# Altium PCB Logic.PcbDoc-4LayerBackup-214701022020.PcbDoc
Units mm, origin at the board's own origin, x right, y up, seen from the top; angles counter-clockwise.
Board outline 80 x 100 mm, 4 copper layers (Top Layer, GND, VCC, Bottom Layer), stack 0.681 mm thick; 94 components, 87 nets, 350 pads, 111 vias.
Unrouted connection lines stored in the file: 35.
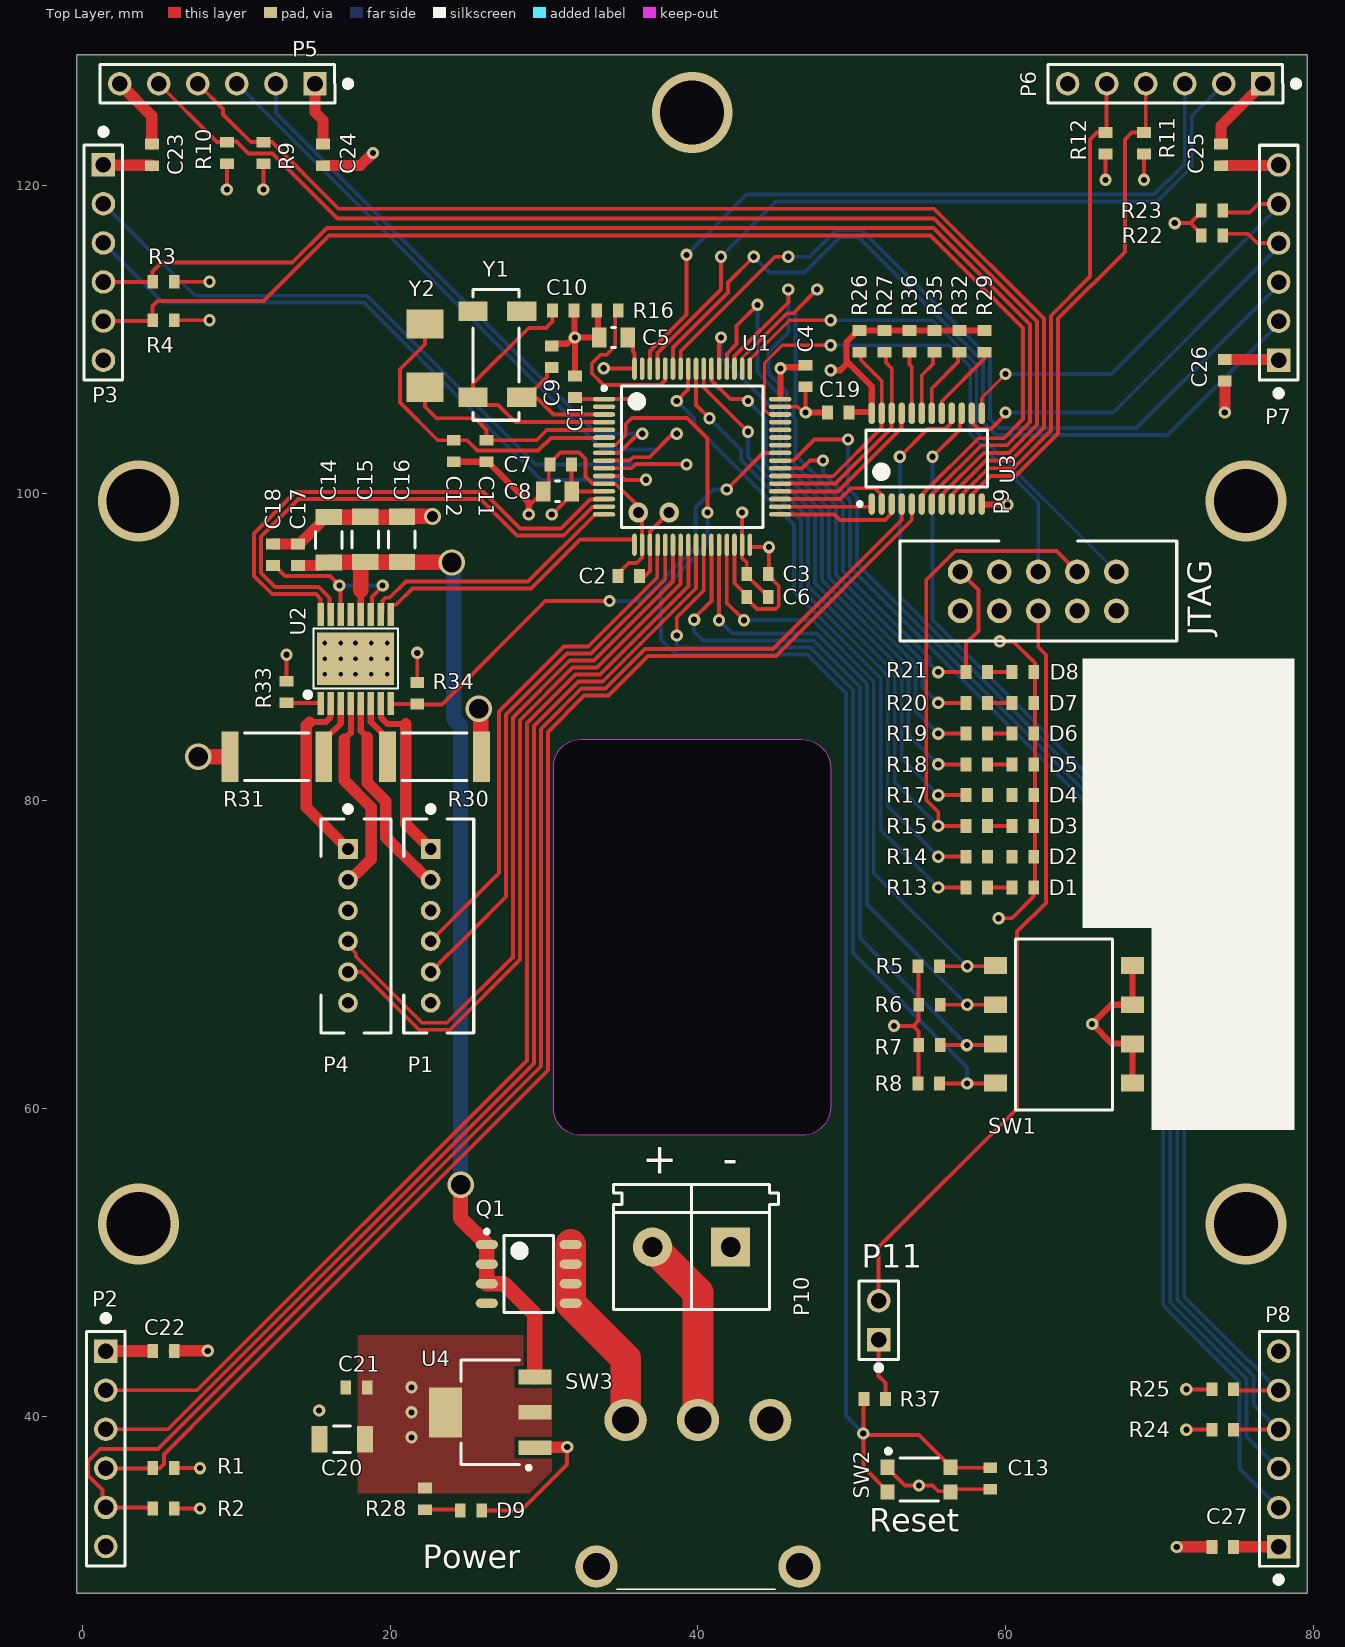
[diagram p0: Top Layer view]
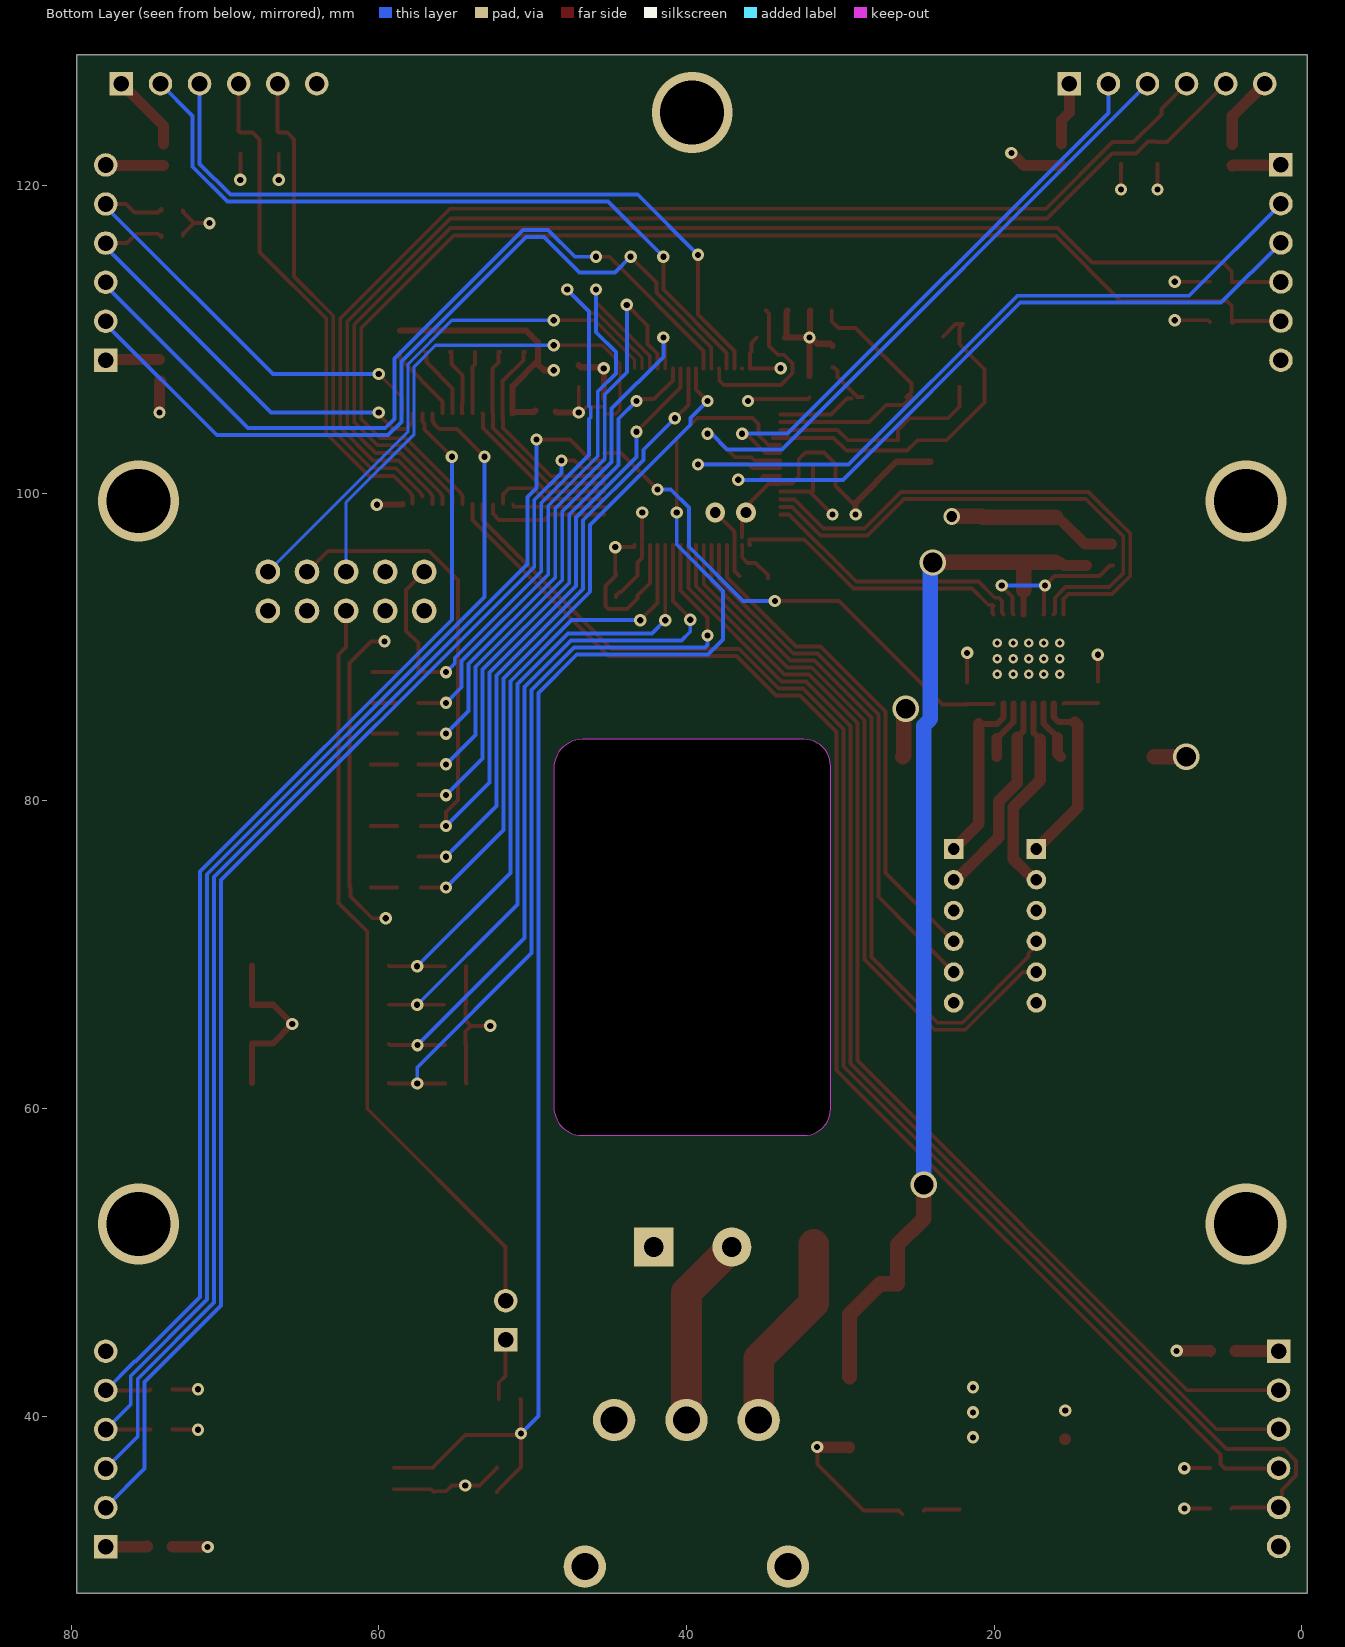
[diagram p1: Bottom Layer view, seen from below]
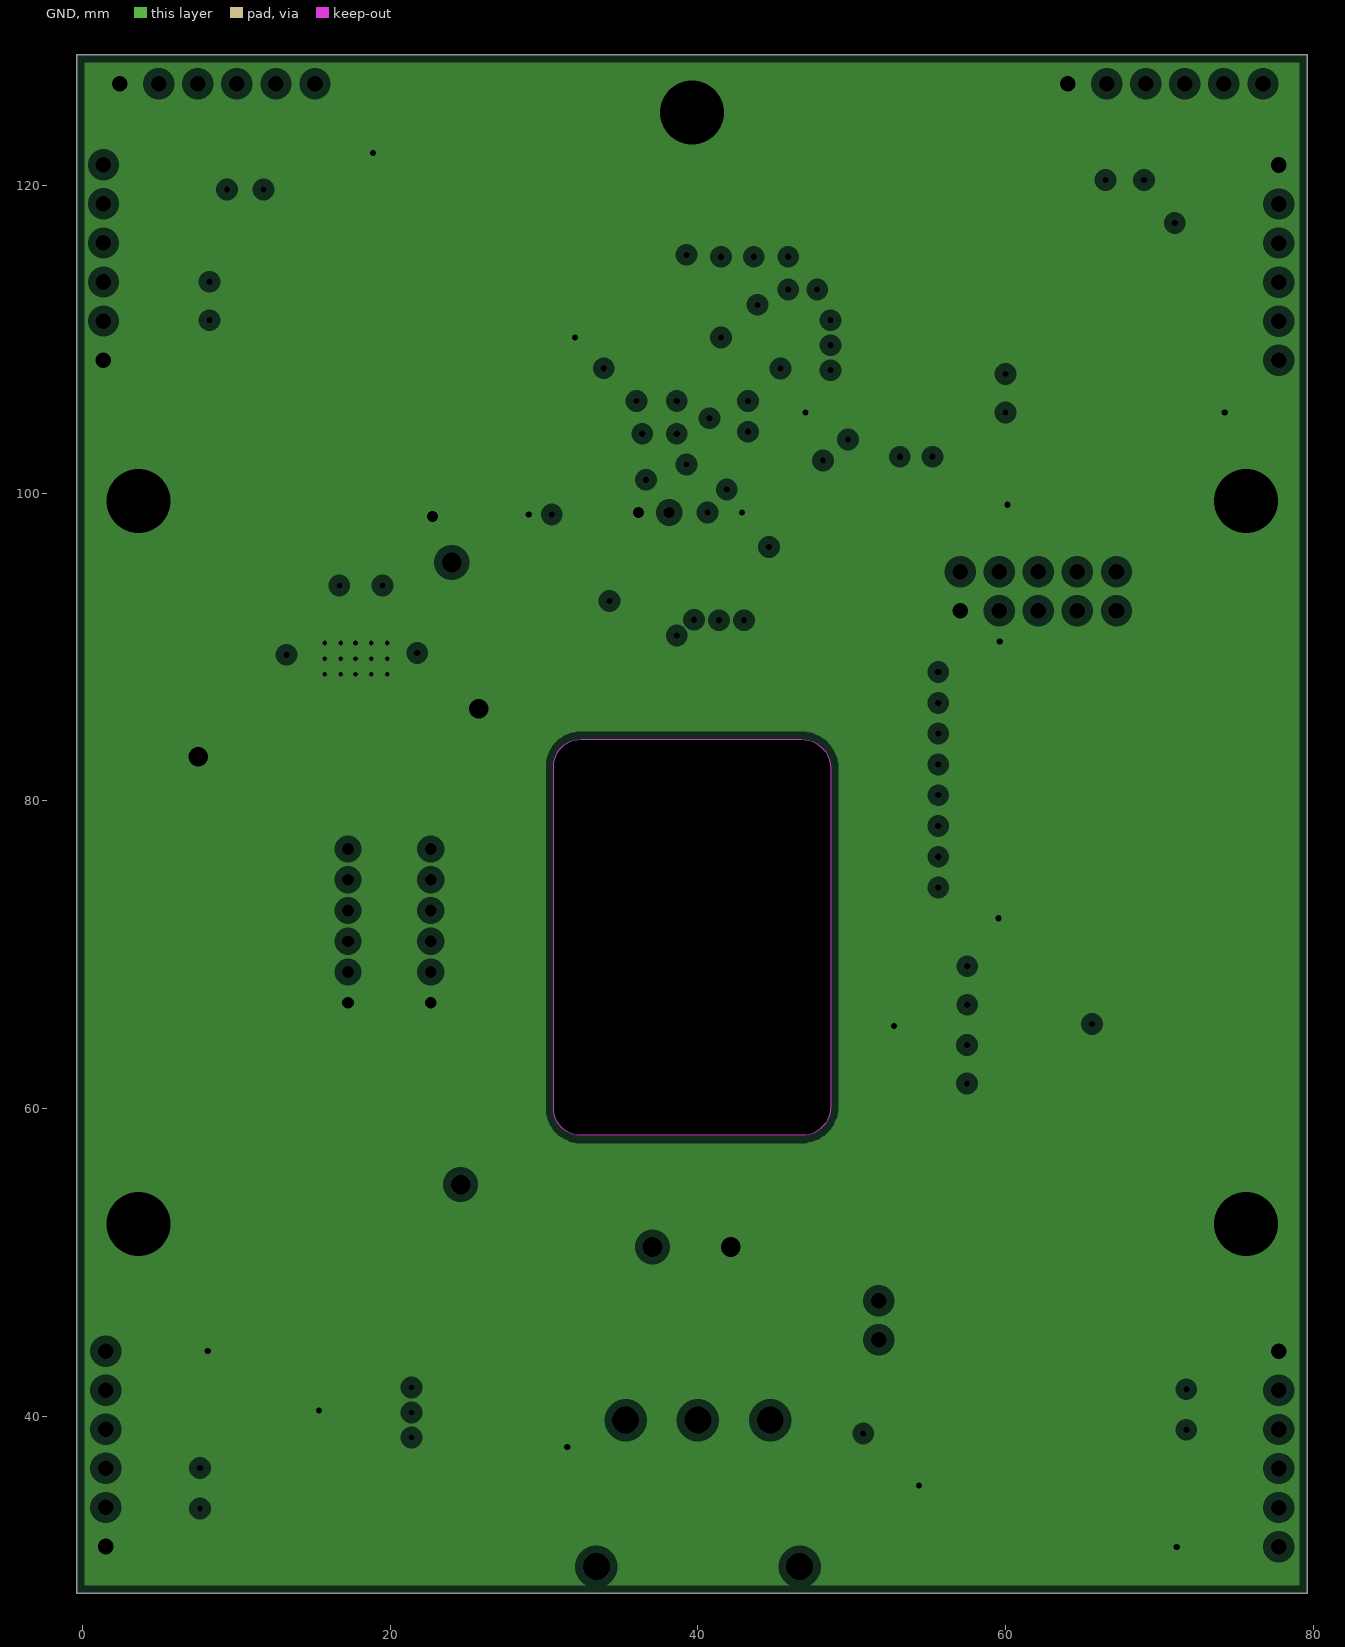
[diagram p2: GND, clearances drawn from the general rule]
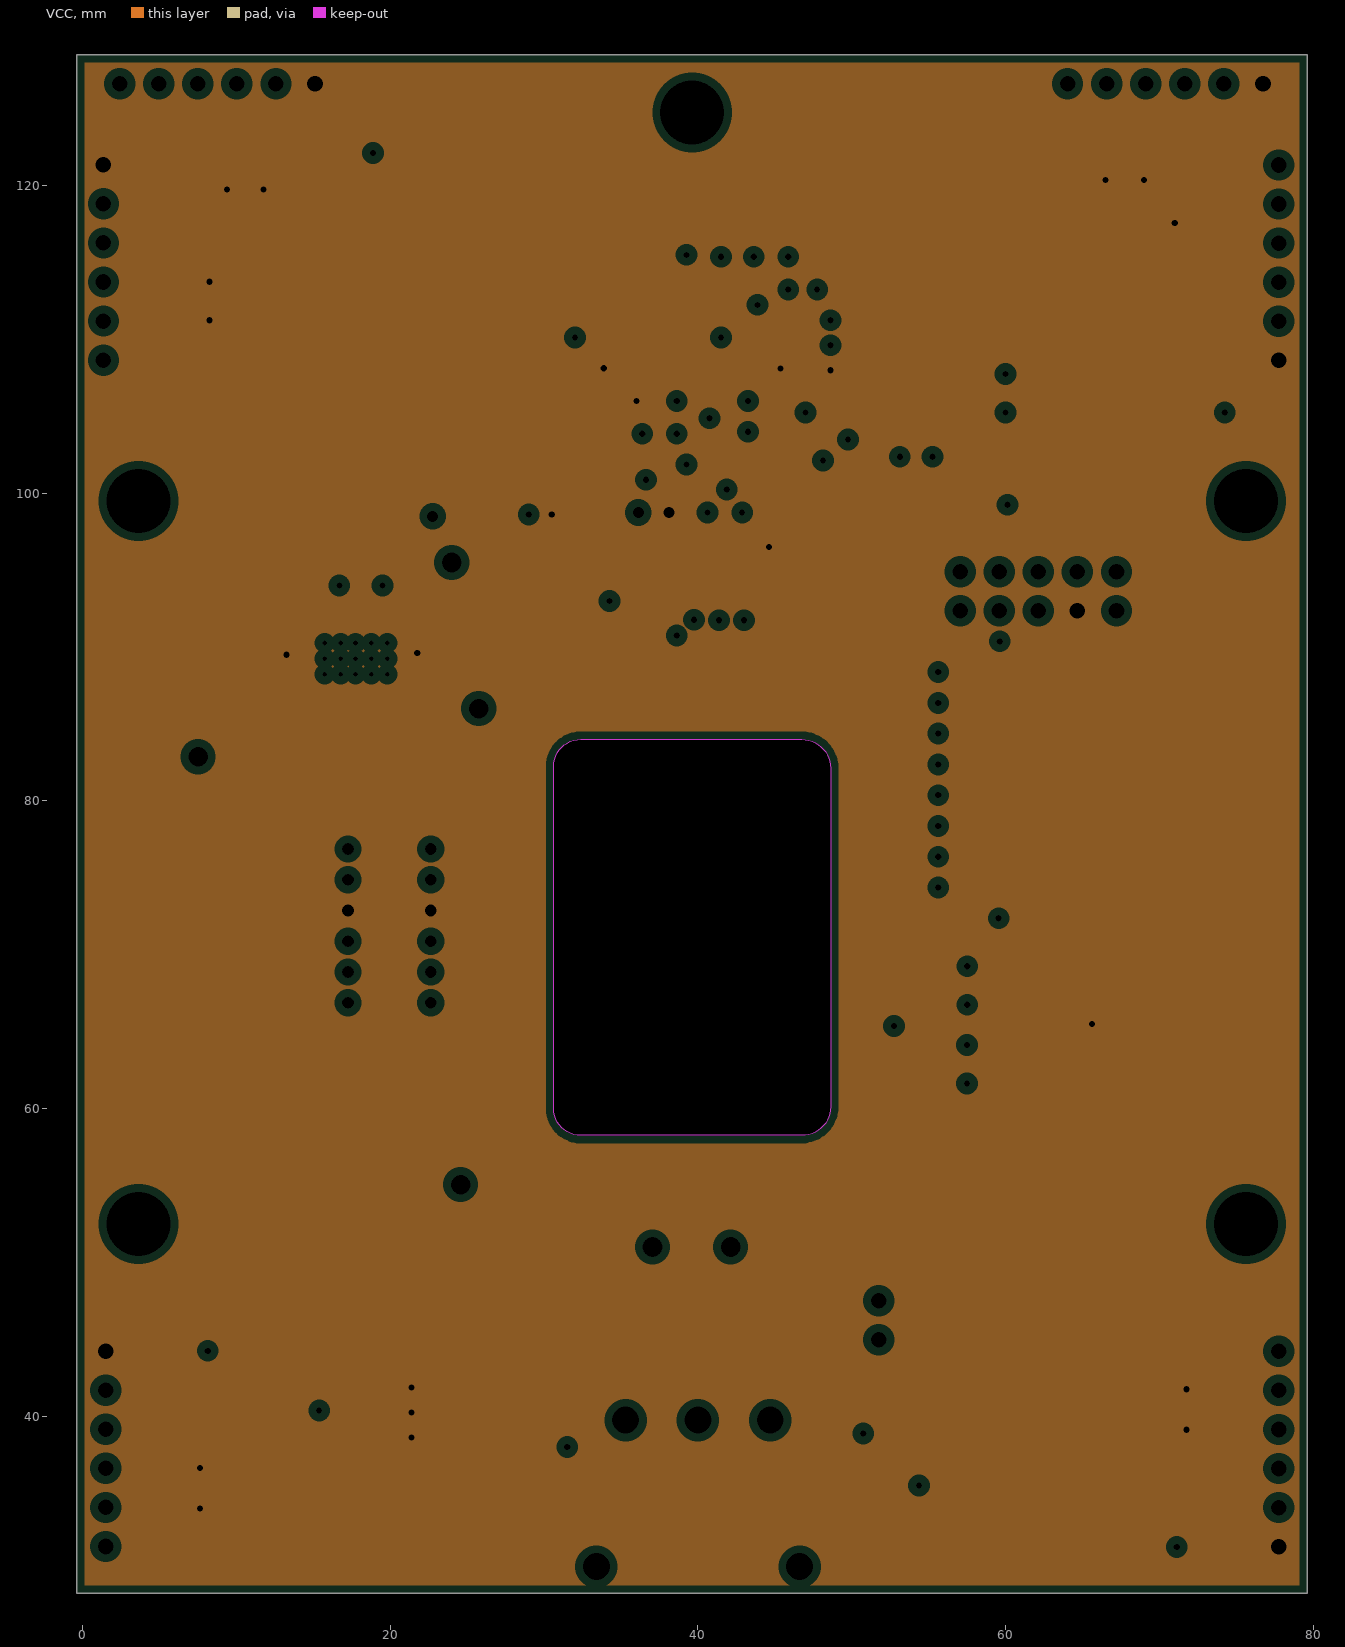
[diagram p3: VCC, clearances drawn from the general rule]

## Layer stack, top to bottom
Top Solder: solder mask 0.0102, Solder Resist, Dk 3.5
Top Layer: signal copper 0.0356
Dielectric 2: prepreg 0.11, PP-006, Dk 4.1
GND: plane copper 0.035, net GND
Dielectric 1: dielectric 0.32, FR-4, Dk 4.8
VCC: plane copper 0.035, net VCC
Dielectric 3: prepreg 0.11, PP-006, Dk 4.1
Bottom Layer: signal copper 0.0356
Bottom Solder: solder mask 0.0102, Solder Resist, Dk 3.5

## Board outline
-0.375,28.5 79.625,28.5 79.625,128.5 -0.375,128.5
cut-out: 32.375,84 46.75,84 cw(c46.75,82.125) 48.625,82.125 48.625,60.125 cw(c46.75,60.125) 46.75,58.25 32.375,58.25 cw(c32.375,60) 30.625,60 30.625,82.25 cw(c32.375,82.25)

## Design rules (kind name [scope] priority, off if disabled: settings)
BoardOutlineClearance [All] p1: gap=0.254 ignorepadtopadclearanceinfootprint=FALSE except(0: Arc-SplitContinuation Track-SplitContinuation SMDPad-SplitContinuation THPad-SplitContinuation Via-SplitContinuation Fill-SplitContinuation Poly-SplitContinuation Region-SplitContinuation Text-SplitContinuation)
Clearance [All] p1: gap=0.254 ignorepadtopadclearanceinfootprint=FALSE except(0: Arc-Hole Track-Hole SMDPad-Hole THPad-Hole Via-Hole Fill-Hole Poly-Hole Region-Hole Text-Hole; 0.2: Arc-Arc Arc-Track Arc-SMDPad Track-Track Track-SMDPad SMDPad-SMDPad Via-Via)
HoleSize [All] p1: absolutevalues=TRUE maxlimit=10 minlimit=0.025 maxpercent=80.000 minpercent=20.000
PlaneClearance [All] p1: clearance=0.508
PlaneConnect [All] p1: pad.planeconnectstyle=Relief pad.reliefexpansion=0.508 pad.reliefentries=4 pad.reliefconductorwidth=0.254 pad.reliefairgap=0.254 via.planeconnectstyle=Direct via.reliefexpansion=0.508 via.reliefentries=4 via.reliefconductorwidth=0.254 via.reliefairgap=0.254
PolygonConnect PolygonConnect_VCC [InNet('VCC')] p1: thpad.connectstyle=Relief thpad.reliefconductorwidth=0.254 thpad.reliefentries=4 thpad.polygonreliefangle="90 Angle" thpad.airgapwidth=0.254 smdpad.connectstyle=Direct smdpad.reliefconductorwidth=0.254 smdpad.reliefentries=4 smdpad.polygonreliefangle="90 Angle" smdpad.airgapwidth=0.254 via.connectstyle=Direct via.reliefconductorwidth=0.254 via.reliefentries=4 via.polygonreliefangle="90 Angle" via.airgapwidth=0.254
PolygonConnect [All] p2: thpad.connectstyle=Relief thpad.reliefconductorwidth=0.254 thpad.reliefentries=4 thpad.polygonreliefangle="90 Angle" thpad.airgapwidth=0.254 smdpad.connectstyle=Direct smdpad.reliefconductorwidth=0.254 smdpad.reliefentries=4 smdpad.polygonreliefangle="90 Angle" smdpad.airgapwidth=0.254 via.connectstyle=Direct via.reliefconductorwidth=0.254 via.reliefentries=4 via.polygonreliefangle="90 Angle" via.airgapwidth=0.254
RoutingVias [All] p1: holewidth=0.4 width=0.8 viastyle="Through Hole" minholewidth=0.3 minwidth=0.5 maxholewidth=10 maxwidth=10
SilkToSilkClearance [All] p1: silktosilkclearance=0.2
SilkToSolderMaskClearance SilkToSolderMaskClearance_1 [IsPad] p1: minsilkscreentomaskgap=0.1 clearancetoexposedcopper=TRUE
SolderMaskExpansion [All] p1: expansion=0.102
Width [All] p1: maxlimit=3 minlimit=0.2 preferedwidth=0.254 minimp=50.000000 maximp=50.000000 favimp=50.000000
25 further rules are at their usual default settings.

## Components (designator, comment, footprint, x,y, rotation, side; value= is the part's Value field where it differs from the comment)
C1 "cap_single_np" chip_0603 32,106.925 r90 top
C2 "cap_single_np" chip_0603 35.5,94.625 r180 top
C3 "cap_single_np" chip_0603 43.875,94.75 r180 top
C4 "cap_single_np" chip_0603 47,107.625 r270 top
C5 "cap_single_np" chip_0805 34.5,110.125 r180 top
C6 "cap_single_np" chip_0603 43.875,93.25 r0 top
C7 "cap_single_np" chip_0603 31.075,101.875 r180 top
C8 "cap_single_np" chip_0805 30.875,100.125 r180 top
C9 "cap_single_np" chip_0603 30.5,108.875 r90 top
C10 "cap_single_np" chip_0603 31.25,111.875 r0 top
C11 "cap_single_np" chip_0603 26.25,102.75 r270 top
C12 "cap_single_np" chip_0603 24.125,102.75 r270 top
C13 "cap_single_np" chip_0603 59,35.95 r270 top
C14 "cap_single_np" chip_1206 16,96.975 r90 top
C15 "cap_single_np" chip_1206 18.375,97 r90 top
C16 "cap_single_np" chip_1206 20.75,97 r90 top
C17 "cap_single_np" chip_0603 14,96 r90 top
C18 "cap_single_np" chip_0603 12.375,96 r90 top
C19 "cap_single_np" chip_0603 49.125,105.25 r180 top
C20 "cap_single_np" chip_1206 16.875,38.5 r180 top
C21 "cap_single_np" chip_0603 17.8,41.875 r180 top
C22 "cap_single_np" chip_0603 5.25,44.25 r0 top
C23 "cap_single_np" chip_0603 4.5,122 r90 top
C24 "cap_single_np" chip_0603 15.625,122 r270 top
C25 "cap_single_np" chip_0603 74,122 r270 top
C26 "cap_single_np" chip_0603 74.25,108 r270 top
C27 "cap_single_np" chip_0603 74.125,31.5 r180 top
D1 "diode_4" chip_0603 61.125,74.375 r180 top
D2 "diode_4" chip_0603 61.125,76.375 r180 top
D3 "diode_4" chip_0603 61.125,78.375 r180 top
D4 "diode_4" chip_0603 61.125,80.375 r180 top
D5 "diode_4" chip_0603 61.125,82.375 r180 top
D6 "diode_4" chip_0603 61.125,84.375 r180 top
D7 "diode_4" chip_0603 61.125,86.375 r180 top
D8 "diode_4" chip_0603 61.125,88.375 r180 top
D9 "diode_4" chip_0603 25.25,33.875 r180 top
P1 "conn-6x1_0" JST_PHR_6_0 22.625,76.875 r270 top
P2 "conn-6x1_0" HDDR_6X1_0 1.504,37.875 r270 top locked
P3 "conn-6x1_0" HDDR_6X1_0 1.35,115 r270 top
P4 "conn-6x1_0" JST_PHR_6_0 17.25,76.875 r270 top
P5 "conn-6x1_0" HDDR_6X1_0 8.75,126.625 r180 top
P6 "conn-6x1_0" HDDR_6X1_0 70.375,126.625 r180 top
P7 "conn-6x1_0" HDDR_6X1_0 77.75,115 r90 top
P8 "conn-6x1_0" HDDR_6X1_0 77.75,37.875 r90 top locked
P9 "conn-5x2_0" CNC_TECH_3020-10-0100-XX 62.125,93.625 r270 top
P10 "conn-2x1_0" PHOENIX_MKDS_5.08MM_2x1 42.125,51 r180 top locked
P11 "conn-2x1_0" hddr_2x1_0 51.75,46.25 r90 top
Q1 "p-mosfet-SSSGDDDD" SO-8 29,49.25 r0 top
R1 "res_single" chip_0603 5.254,36.625 r180 top
R2 "res_single" chip_0603 5.254,34 r180 top locked
R3 "res_single" chip_0603 5.25,113.75 r180 top
R4 "res_single" chip_0603 5.25,111.25 r180 top
R5 "res_single" chip_0603 55,69.25 r180 top
R6 "res_single" chip_0603 55.05,66.75 r180 top
R7 "res_single" chip_0603 55.05,64.125 r180 top
R8 "res_single" chip_0603 55,61.625 r180 top
R9 "res_single" chip_0603 11.75,122.125 r90 top
R10 "res_single" chip_0603 9.375,122.125 r90 top
R11 "res_single" chip_0603 69,122.75 r90 top
R12 "res_single" chip_0603 66.5,122.75 r90 top locked
R13 "res_single" chip_0603 58.125,74.375 r0 top
R14 "res_single" chip_0603 58.125,76.375 r0 top
R15 "res_single" chip_0603 58.125,78.375 r0 top
R16 "res_single" chip_0603 34.125,111.875 r180 top
R17 "res_single" chip_0603 58.125,80.375 r0 top
R18 "res_single" chip_0603 58.125,82.375 r0 top
R19 "res_single" chip_0603 58.125,84.375 r0 top
R20 "res_single" chip_0603 58.125,86.375 r0 top
R21 "res_single" chip_0603 58.125,88.375 r0 top
R22 "res_single" chip_0603 73.425,116.75 r0 top
R23 "res_single" chip_0603 73.425,118.375 r0 top locked
R24 "res_single" chip_0603 74.125,39.125 r0 top
R25 "res_single" chip_0603 74.125,41.75 r0 top locked
R26 "res_single" chip_0603 50.5,109.875 r270 top
R27 "res_single" chip_0603 52.125,109.875 r270 top
R28 "res_single" chip_0603 22.25,34.625 r270 top
R29 "res_single" chip_0603 58.625,109.875 r90 top
R30 "res_single" chip_2512 22.875,82.875 r0 top
R31 "res_single" chip_2512 12.625,82.875 r180 top
R32 "res_single" chip_0603 57,109.875 r90 top
R33 "res_single" chip_0603 13.25,87.075 r90 top
R34 "res_single" chip_0603 21.75,87 r90 top
R35 "res_single" chip_0603 55.375,109.875 r90 top
R36 "res_single" chip_0603 53.75,109.875 r90 top
R37 "res_single" chip_0603 51.5,41.125 r0 top
SW1 "DIP_SW_4" A6S-4104-H 68.25,61.67 r180 top
SW2 "SW_1P1T_0" KMR6 54.375,35.875 r0 top
SW3 "SW-SPDT" E-Switch_500SSPyS1M6yEA 40,39.75 r90 top
U1 "STM32F446_64_0" LQFP64_0 39.625,102.375 r0 top
U2 "DRV8848" HTSSOP-16_0 15.475,86.329 r90 top
U3 "TCA9548A" tssop-24_0 54.875,102.25 r90 top
U4 "LM1117" sot-223-4 26.5,40.25 r180 top
Y1 "osc_xtal_2p_0" ABS25_OSC 25.375,106.25 r90 top
Y2 "osc_xtal_2p_0" smd2-0 22.25,106.9 r90 top

## Footprints (in the part's own frame and the unit in brackets; to place one, negate y for a bottom-side part, rotate by r counter-clockwise, add the part's x,y. Pads: shape width x height; smd on the part's side, far side on the other; paste and mask are expansions set on the pad)
A6S-4104-H [mm]
  rect 1.5x1.1 smd: 1(0,0) 2(0,-2.54) 3(0,-5.08) 4(0,-7.62) 5(8.9,-7.62) 6(8.9,-5.08) 7(8.9,-2.54) 8(8.9,0)
  silkscreen extent 1.3,-9.35 7.6,1.75, body extent -0.45,-9.35 9.35,1.75, height 4.4
ABS25_OSC [mil] "Abracon Tuning Fork Oscillators"
  rect 50x75 smd: 1(0,-125) 2(0,0) 3(220,0) 4(220,-125)
  silkscreen extent -59,-118 276,0
chip_0603 [mm]
  rect 0.7x0.9 smd: 1(-0.7,0) 2(0.7,0)
  body extent -0.85,-0.45 0.85,0.45, height 0.6
chip_0805 [mm]
  rect 0.95x1.3 smd: 1(-0.925,0) 2(0.925,0)
  silkscreen extent -0.13,-0.66 0.13,0.66, body extent -1.05,-0.65 1.05,0.65, height 0.6
chip_1206 [mm]
  rect 1.05x1.7 smd: 1(-1.475,0) 2(1.475,0)
  silkscreen extent -0.55,-0.86 0.55,0.86, body extent -1.65,-0.85 1.65,0.85, height 0.6
chip_2512 [mm]
  rect 1.1x3.3 smd: 1(-3.05,0) 2(3.05,0)
  silkscreen extent -2.1,-1.55 2.1,1.55, body extent -3.25,-1.65 3.25,1.65, height 0.6
CNC_TECH_3020-10-0100-XX [mm]
  round 1.6 hole 1.02: 1(-1.27,5.08) 2(1.27,5.08) 3(-1.27,2.54) 4(1.27,2.54) 5(-1.27,0) 6(1.27,0) 7(-1.27,-2.54) 8(1.27,-2.54) 9(-1.27,-5.08) 10(1.27,-5.08)
  silkscreen extent -3.27,-9 3.23,9, body extent -3.25,-9 3.25,9, height 9
E-Switch_500SSPyS1M6yEA [mm] "E-Switch 500 Series SPDT"
  round 2.75 hole 1.75: 0(-9.53,-6.605) 0(-9.53,6.605) 1(0,-4.7) 2(0,0) 3(0,4.7)
  silkscreen extent -11,-5 -11,5.25, body extent -15.58,-6.79 0.61,6.78, height 6.6
hddr_2x1_0 [mil] "0.1\" Header 2x1"
  rect 60x60 hole 40: 1(-50.39,0)
  round 60 hole 40: 2(49.61,0)
  silkscreen extent -128,-50 100,50, body extent -100,-50 100,50, height 336
HDDR_6X1_0 [mil] "0.1\" Header 6x1"
  rect 60x60 hole 40: 1(-250.2,0)
  round 60 hole 40: 2(-150.2,0) 3(-50.2,0) 4(49.8,0) 5(149.8,0) 6(249.8,0)
  silkscreen extent -343,-49 300,49, body extent -301,-49 299,51, height 336
HTSSOP-16_0 [mm]
  rect 1.5x0.42 smd mask+0.051: 1(0,0) 2(0,-0.65) 3(0,-1.3) 4(0,-1.95) 5(0,-2.6) 6(0,-3.25) 7(0,-3.9) 8(0,-4.55) 9(5.8,-4.55) 10(5.8,-3.9) 11(5.8,-3.25) 12(5.8,-2.6) 13(5.8,-1.95) 14(5.8,-1.3) 15(5.8,-0.65) 16(5.8,0)
  rect 3.404x3.302 smd mask-0.051: 17(2.921,-2.275)
  rect 3.4x0.9 smd: 17(2.921,-0.2) 17(2.921,-4.318)
  silkscreen extent 0.43,-5.03 4.88,0.99, body extent -0.29,-4.81 6.14,0.29, height 1.11
JST_PHR_6_0 [mil]
  rect 50x50 hole 30: 1(0,0)
  round 50 hole 30: 2(78.74,0) 3(157.48,0) 4(236.22,0) 5(314.96,0) 6(393.7,0)
  silkscreen extent -110,-69 470,110, body extent -77,-69 470,110, height 236
KMR6 [mm] "C&K KMR6 Series Tactile Switch"
  rect 0.9x1 smd: 1(-2.05,0.8) 2(-2.05,-0.8) 3(2.05,-0.8) 4(2.05,0.8)
  silkscreen extent -2.14,-1.4 1.25,1.99, body extent -2.3,-1.4 2.3,1.4, height 1.9
LQFP64_0 [mm] "LQFP64, 10.00x10.00mm, 0.50mm"
  oval 1.45x0.3 smd: 1(-5.725,3.75) 2(-5.725,3.25) 3(-5.725,2.75) 4(-5.725,2.25) 5(-5.725,1.75) 6(-5.725,1.25) 7(-5.725,0.75) 8(-5.725,0.25) 9(-5.725,-0.25) 10(-5.725,-0.75) 11(-5.725,-1.25) 12(-5.725,-1.75) 13(-5.725,-2.25) 14(-5.725,-2.75) 15(-5.725,-3.25) 16(-5.725,-3.75) 33(5.725,-3.75) 34(5.725,-3.25) 35(5.725,-2.75) 36(5.725,-2.25) 37(5.725,-1.75) 38(5.725,-1.25) 39(5.725,-0.75) 40(5.725,-0.25) 41(5.725,0.25) 42(5.725,0.75) 43(5.725,1.25) 44(5.725,1.75) 45(5.725,2.25) 46(5.725,2.75) 47(5.725,3.25) 48(5.725,3.75)
  oval 0.3x1.45 smd: 17(-3.75,-5.725) 18(-3.25,-5.725) 19(-2.75,-5.725) 20(-2.25,-5.725) 21(-1.75,-5.725) 22(-1.25,-5.725) 23(-0.75,-5.725) 24(-0.25,-5.725) 25(0.25,-5.725) 26(0.75,-5.725) 27(1.25,-5.725) 28(1.75,-5.725) 29(2.25,-5.725) 30(2.75,-5.725) 31(3.25,-5.725) 32(3.75,-5.725) 49(3.75,5.725) 50(3.25,5.725) 51(2.75,5.725) 52(2.25,5.725) 53(1.75,5.725) 54(1.25,5.725) 55(0.75,5.725) 56(0.25,5.725) 57(-0.25,5.725) 58(-0.75,5.725) 59(-1.25,5.725) 60(-1.75,5.725) 61(-2.25,5.725) 62(-2.75,5.725) 63(-3.25,5.725) 64(-3.75,5.725)